# Altium PCB PCB.PcbDoc
Units mm, origin at the board's own origin, x right, y up, seen from the top; angles counter-clockwise.
Board outline 100.01 x 69.88 mm, 2 copper layers (Top Layer, Bottom Layer); 106 components, 77 nets, 402 pads, 216 vias.
Unrouted connection lines stored in the file: 2.
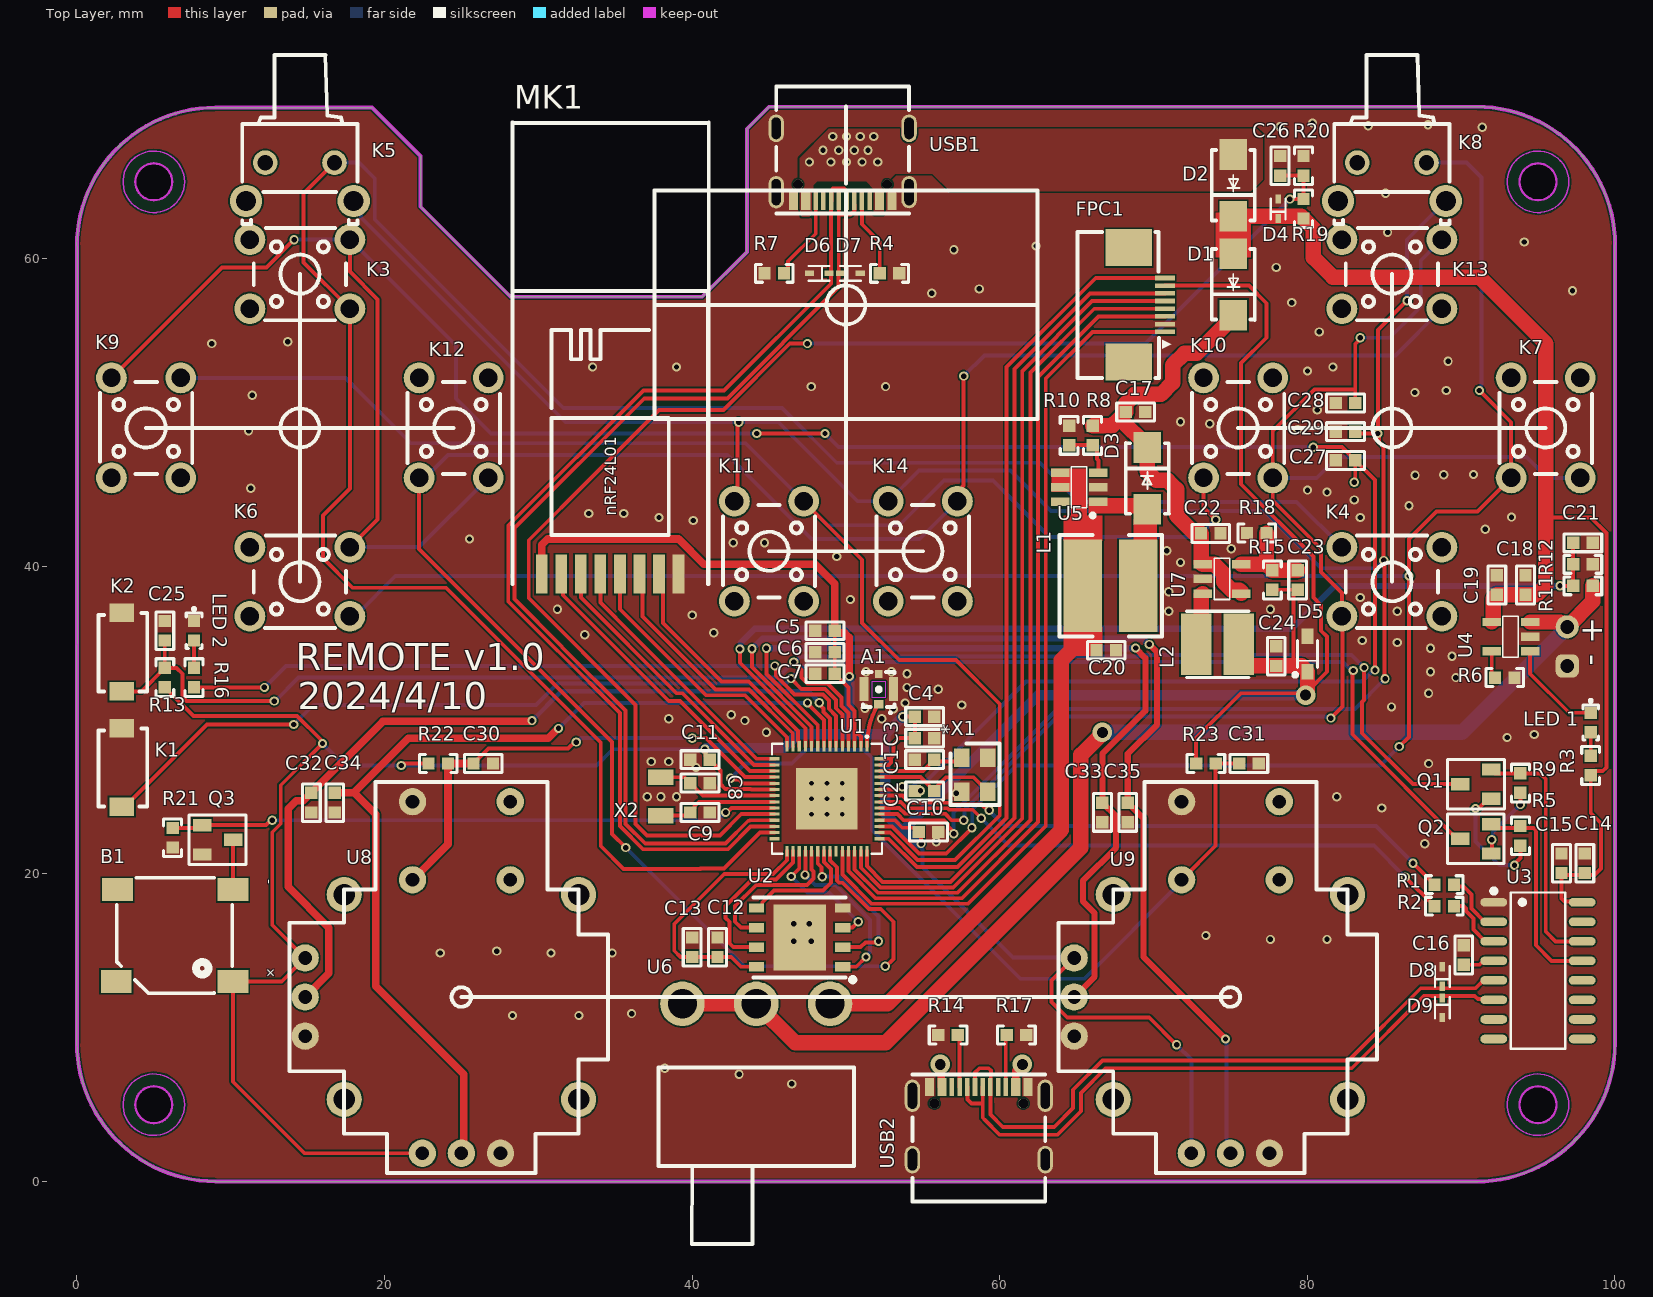
[diagram p0: Top Layer view]
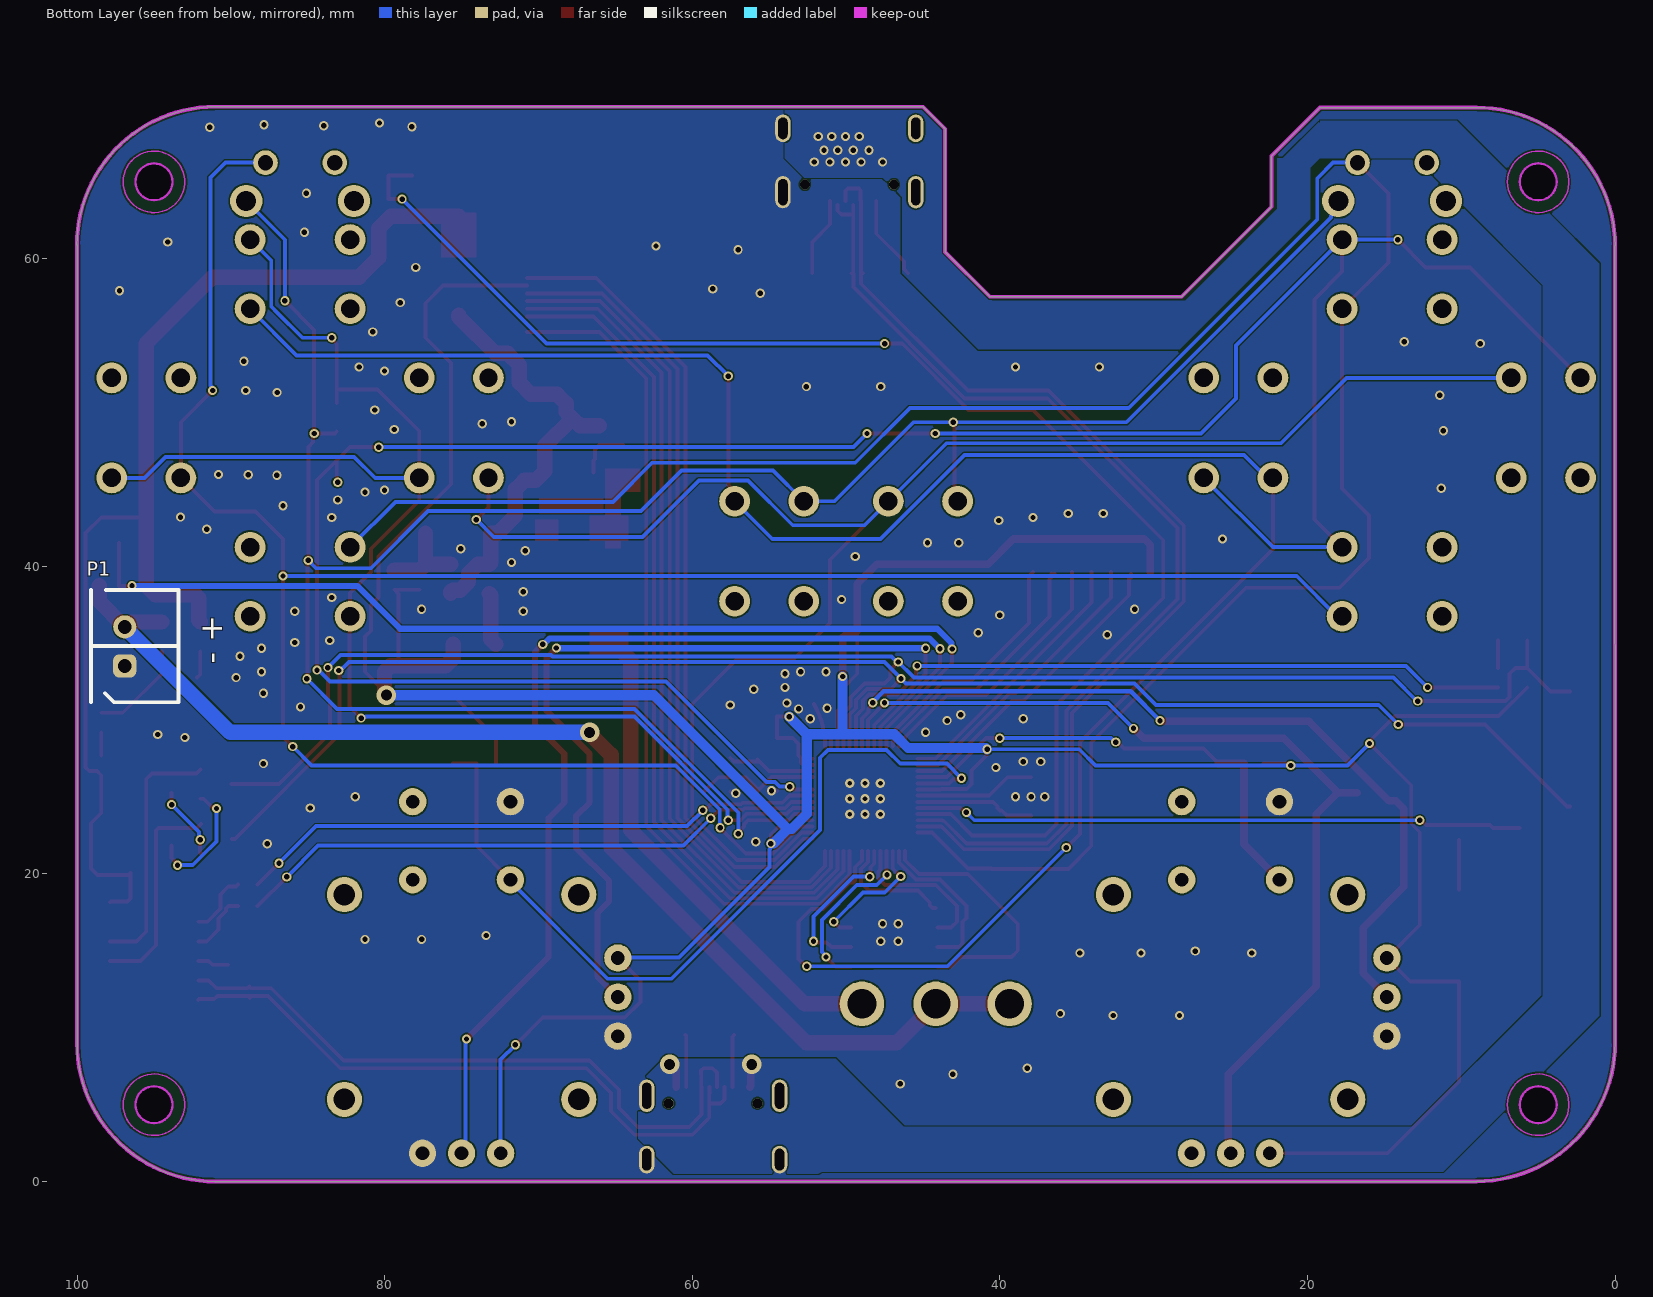
[diagram p1: Bottom Layer view, seen from below]
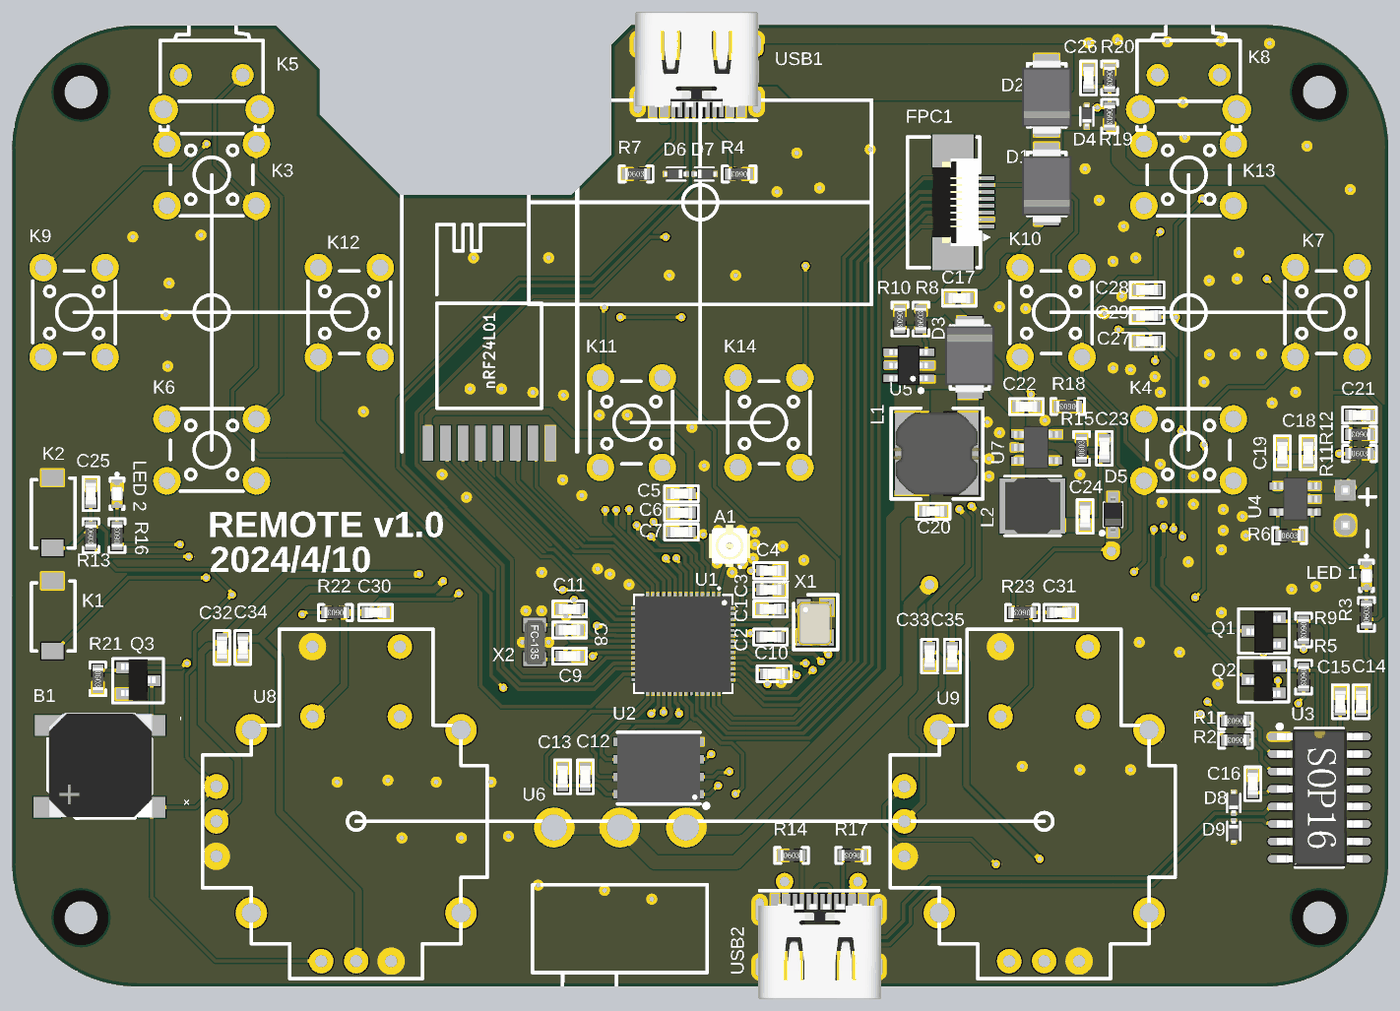
[diagram p2: 3D render of the assembled board from above, using the file's embedded part models]

## Layer stack, top to bottom
Top Solder: solder mask 0.0102, Solder Resist, Dk 3.5
Top Layer: signal copper 0.0356
Dielectric 1: dielectric 0.32, FR-4, Dk 4.8
Bottom Layer: signal copper 0.0356
Bottom Solder: solder mask 0.0102, Solder Resist, Dk 3.5

## Board outline
0,9.017 ccw(c9,9.017) 9,0.017 9,0 91.059,0 91,0 ccw(c91,9) 100,9 100,60.895 100.011,60.884 ccw(c91.011,60.884) 91.011,69.884 44.992,69.884 43.561,68.453 43.561,60.452 40.64,57.531 28.194,57.531 22.342,63.383 22.342,66.675 19.184,69.833 9,69.833 ccw(c9,60.833) 0,60.833 0.02,60.833
cut-out: 93.8,5 ccw(c95,5) 95,3.8 ccw(c95,5) 96.2,5 ccw(c95,5) 95,6.2 ccw(c95,5)
cut-out: 3.8,5 ccw(c5,5) 5,3.8 ccw(c5,5) 6.2,5 ccw(c5,5) 5,6.2 ccw(c5,5)
cut-out: 5,63.8 cw(c5,65) 3.8,65 cw(c5,65) 5,66.2 cw(c5,65) 6.2,65 cw(c5,65)
cut-out: 93.8,65 ccw(c95,65) 95,63.8 ccw(c95,65) 96.2,65 ccw(c95,65) 95,66.2 ccw(c95,65)

## Design rules (kind name [scope] priority, off if disabled: settings)
Clearance [All] p1: gap=0.1 ignorepadtopadclearanceinfootprint=FALSE except(0: Arc-Hole Track-Hole SMDPad-Hole THPad-Hole Via-Hole Fill-Hole Poly-Hole Region-Hole Text-Hole; 0.102: Arc-Arc Arc-Track Arc-SMDPad Arc-THPad Track-Track Track-SMDPad Track-THPad SMDPad-SMDPad SMDPad-THPad THPad-THPad; 0.127: Arc-Via Track-Via SMDPad-Via SMDPad-Text THPad-Via Via-Via; 0.254: Arc-Text Track-Text THPad-Text Via-Text Fill-Text Poly-Text Region-Text Text-Text)
DiffPairsRouting [All] p1: maxlimit=0.254 minlimit=0.1 mostfreqgap=0.254 toplayer_minwidth=0.2 toplayer_maxwidth=0.381 toplayer_prefwidth=0.25 bottomlayer_minwidth=0.2 bottomlayer_maxwidth=0.381 bottomlayer_prefwidth=0.25 maxuncoupledlength=12.7
HoleSize [All] p1: absolutevalues=TRUE maxlimit=30 minlimit=0.025 maxpercent=80.000 minpercent=20.000
HoleToHoleClearance [All] p1: gap=0.152 allowstackedmicrovias=TRUE
MinimumSolderMaskSliver [All] p1: minsoldermaskwidth=0
PlaneClearance [All] p1: clearance=0.254
PlaneConnect [All] p1: planeconnectstyle=Direct reliefexpansion=0.508 reliefentries=4 reliefconductorwidth=0.254 reliefairgap=0.254
PolygonConnect [All] p1: connectstyle=Direct reliefconductorwidth=0.254 reliefentries=4 polygonreliefangle="90 Angle" airgapwidth=0.254
RoutingVias [All] p1: holewidth=0.711 width=1.27 viastyle="Through Hole" minholewidth=0.3 minwidth=0.5 maxholewidth=30 maxwidth=30
SilkToSilkClearance [All] p1: silktosilkclearance=0
SilkToSolderMaskClearance [IsPad] p1: minsilkscreentomaskgap=0 clearancetoexposedcopper=TRUE
SolderMaskExpansion [All] p1: expansion=0.102 istentingtop=FALSE
Width [All] p1: maxlimit=3 minlimit=0.1 preferedwidth=0.254
22 further rules are at their usual default settings.

## Classes and differential pairs
component class Sheet0-control: B1 C27 C28 C29 C30 C31 C32 C33 C34 C35 FPC1 K3 K4 K5 K6 K7 K8 K9 K10 K11 K12 K13 K14 MK1 Q3 R21 R22 R23 U8 U9
component class Sheet0-MCU: A1 C1 C2 C3 C4 C5 C6 C7 C8 C9 C10 C11 C12 C13 C14 C15 C16 C17 C18 C19 C20 C21 C22 C23 C24 C25 C26 D1 D2 D3 D4 D5 D6 D7 D8 D9 K1 K2 L1 L2 "LED 1" "LED 2" P1 Q1 Q2 R1 R2 R3 R4 R5 R6 R7 R8 R9 R10 R11 R12 R13 R14 R15 R16 R17 R18 R19 R20 U1 U2 U3 U4 U5 U6 U7 USB1 USB2 X1 X2
differential pair ESP32: +ESP32_P -ESP32_N
differential pair USB: +USB_P -USB_N

## Components (designator, comment, footprint, x,y, rotation, side; value= is the part's Value field where it differs from the comment)
A1 "ANT-IPEX" ANT-IPEX 52.07,32.004 r90 top
B1 "BUZZER1" BUZ-SMD_GSC7525RA 6.35,16.002 r180 top
C1 "22pF" CC1608-0603 55.118,27.432 r0 top
C2 "22pF" CC1608-0603 55.118,25.4 r0 top
C3 "1uF" CC1608-0603 55.118,28.829 r180 top
C4 "100NF" CC1608-0603 55.118,30.226 r180 top
C5 "1uF" CC1608-0603 48.641,35.814 r0 top
C6 "100NF" CC1608-0603 48.641,34.417 r0 top
C7 "100NF" CC1608-0603 48.641,33.02 r0 top
C8 "22pF" CC1608-0603 40.513,25.908 r180 top
C9 "22pF" CC1608-0603 40.513,24.003 r180 top
C10 "100NF" CC1608-0603 55.372,22.733 r180 top
C11 "100NF" CC1608-0603 40.513,27.432 r0 top
C12 "1uF" CC1608-0603 41.656,15.24 r270 top
C13 "100NF" CC1608-0603 40.005,15.24 r270 top
C14 "1uF" CC1608-0603 98.044,20.701 r270 top
C15 "100NF" CC1608-0603 96.52,20.701 r270 top
C16 "100NF" CC1608-0603 90.17,14.732 r270 top
C17 "22uF" CC1608-0603 68.834,50.038 r0 top
C18 "1uF" CC1608-0603 94.189,38.79 r270 top
C19 "100NF" CC1608-0603 92.32,38.79 r270 top
C20 "22uF" CC1608-0603 66.929,34.544 r180 top
C21 "100NF" CC1608-0603 97.917,41.529 r180 top
C22 "10uF" CC1608-0603 73.715,42.144 r180 top
C23 "22PF" CC1608-0603 79.375,39.116 r270 top
C24 "10uF" CC1608-0603 77.978,34.163 r270 top
C25 "1uF/NC" CC1608-0603 5.715,35.814 r270 top
C26 "100NF" CC1608-0603 78.232,66.04 r270 top
C27 "100pF" CC1608-0603 82.478,46.89 r0 top
C28 "100pF" CC1608-0603 82.478,50.628 r0 top
C29 "100pF" CC1608-0603 82.478,48.759 r0 top
C30 "100pF" CC1608-0603 26.416,27.178 r180 top
C31 "100pF" CC1608-0603 76.2,27.178 r180 top
C32 "100pF" CC1608-0603 15.24,24.638 r90 top
C33 "100pF" CC1608-0603 66.675,24.003 r90 top
C34 "100pF" CC1608-0603 16.764,24.638 r90 top
C35 "100pF" CC1608-0603 68.326,24.003 r90 top
D1 "SS34" "DO-214 AA" 75.184,58.325 r90 top
D2 "SS34" "DO-214 AA" 75.184,64.77 r90 top
D3 "SS34A" "DO-214 AA SMB" 69.596,45.72 r270 top
D4 "LESD5Z5.0CT1G" SOD-523 78.105,63.246 r90 top
D5 "PESD3V3L1BA" SOD-323 80.01,33.147 r90 top
D6 "LESD5Z5.0CT1G" SOD-523 48.26,59.055 r180 top
D7 "LESD5Z5.0CT1G" SOD-523 50.292,59.055 r0 top
D8 "LESD5Z5.0CT1G" SOD-523 88.773,13.335 r90 top
D9 "LESD5Z5.0CT1G" SOD-523 88.773,11.303 r270 top
FPC1 "FFC 05 8P" FFC-SMD_8P-P0.50 69.564,57 r270 top
K1 "KEY 3*4" "KEY 3*4" 2.921,24.384 r90 top
K2 "KEY 3*4" "KEY 3*4" 2.921,31.877 r90 top
K3 "SW-TH_4P" SW-TH_4P 14.5,59 r180 top locked
K4 "SW-TH_4P" SW-TH_4P 85.5,39 r0 top locked
K5 "SW-TH_4P_H" SW-TH_KH-6X6X7H-ZJ 14.5,65 r180 top locked
K6 "SW-TH_4P" SW-TH_4P 14.5,39 r180 top locked
K7 "SW-TH_4P" SW-TH_4P 95.5,49 r90 top locked
K8 "SW-TH_4P_H" SW-TH_KH-6X6X7H-ZJ 85.5,65 r180 top locked
K9 "SW-TH_4P" SW-TH_4P 4.5,49 r270 top locked
K10 "SW-TH_4P" SW-TH_4P 75.5,49 r90 top locked
K11 "SW-TH_4P" SW-TH_4P 45,40.983 r270 top locked
K12 "SW-TH_4P" SW-TH_4P 24.5,49 r90 top locked
K13 "SW-TH_4P" SW-TH_4P 85.5,59 r180 top locked
K14 "SW-TH_4P" SW-TH_4P 55,40.983 r270 top locked
L1 "10uF" Inductor-6045 65.405,38.735 r90 top locked
L2 "1uH" Inductor-4018 74.168,34.925 r0 top
"LED 1" "LED 0603" "LED 0603" 98.425,29.845 r90 top
"LED 2" "LED 0603" "LED 0603" 7.62,35.814 r90 top
MK1 "GT-24" WIRELM-SMD_AS01-ML01S 30.226,39.497 r90 top locked
P1 "Header 2" HX2.54-2 96.901,33.528 r90 bottom locked
Q1 "S8050" SOT-23 91.972,24.89 r90 top
Q2 "S8050" SOT-23 91.948,21.336 r90 top
Q3 "SI2302" SOT-23 8.14,23.175 r270 top
R1 "470R" CR1608-0603 88.9,19.304 r180 top
R2 "470R" CR1608-0603 88.9,17.907 r180 top
R3 "1K" CR1608-0603 98.425,27.051 r90 top
R4 "5.1K" CR1608-0603 52.832,59.055 r180 top
R5 "12K/10K" CR1608-0603 93.853,22.479 r270 top
R6 "2K" CR1608-0603 92.837,32.766 r0 top
R7 "5.1K" CR1608-0603 45.339,59.055 r0 top
R8 "78.7KR" CR1608-0603 66.04,48.514 r90 top
R9 "12K/10K" CR1608-0603 93.853,25.908 r270 top
R10 "10KR" CR1608-0603 64.516,48.514 r270 top
R11 "10K" CR1608-0603 97.917,38.735 r0 top
R12 "10K" CR1608-0603 97.917,40.132 r180 top
R13 "10K/NC" CR1608-0603 5.715,32.766 r270 top
R14 "5.1K" CR1608-0603 56.642,9.525 r0 top
R15 "100K" CR1608-0603 77.724,39.116 r90 top
R16 "1K" CR1608-0603 7.62,32.766 r90 top
R17 "5.1K" CR1608-0603 61.087,9.525 r180 top
R18 "22.1K" CR1608-0603 76.708,42.164 r180 top
R19 "10K" CR1608-0603 79.756,63.246 r270 top
R20 "10K" CR1608-0603 79.756,66.04 r270 top
R21 "33KR" CR1608-0603 6.223,22.352 r270 top
R22 "10K" CR1608-0603 23.495,27.178 r180 top
R23 "10K" CR1608-0603 73.406,27.178 r180 top
U1 "ESP32-S3" QFN-56 48.768,24.892 r270 top
U2 "W25Q128JVPIQ" WSON-8 46.99,15.875 r90 top
U3 "CH340C" SOP-16 94.996,13.716 r270 top
U4 "TP4054" SOT23-5 94.488,36.388 r270 top
U5 "SX1308" SOT23-6 65.151,45.09 r90 top
U6 "HX SS12D10G4" SW-TH_3P-SS12D06 44.17,11.557 r0 top locked
U7 "SY8089A1AAC" SOT23-5 73.192,38.227 r90 top
U8 "rocker" PCBComponent_1 25,12 r0 top locked
U9 "rocker" PCBComponent_1 75,12 r0 top locked
USB1 "Tpye-c 16P" "TYPE-C 16P" 46.898,64.829 r180 top locked
USB2 "Tpye-c 16P" "TYPE-C 16P" 61.533,5.08 r0 top
X1 "3225_8M" XTAL-3225 59.231,27.559 r270 top
X2 "32.768kKHz" XTAL-3215 37.973,26.289 r270 top

## Footprints (in the part's own frame and the unit in brackets; to place one, negate y for a bottom-side part, rotate by r counter-clockwise, add the part's x,y. Pads: shape width x height; smd on the part's side, far side on the other; paste and mask are expansions set on the pad)
ANT-IPEX [mm]
  rect 0.55x0.6 smd: 1(-0.977,-0.066)
  rect 1.58x0.58 smd: 2(0.023,-1.026) 4(0.023,0.893)
  rect 0.5x0.5 smd: 3(0.998,-0.066)
  silkscreen extent -1.6,-1.08 1.14,0.95, body extent -1.53,-1.57 1.57,1.43, height 1.25
BUZ-SMD_GSC7525RA [mm]
  rect 2x1.5 smd paste+0 mask+0.051: 1(-3.795,2.98) 2(-3.795,-2.98) 3(3.705,-2.98) 3(3.795,2.98)
  silkscreen extent -3.75,-3.75 3.76,3.76, body extent -3.81,-3.81 3.69,3.69, height 2.5
CC1608-0603 [mm]
  rect 0.8x0.8 smd: 1(-0.635,0) 2(0.635,0)
  silkscreen extent -1.23,-0.58 1.23,0.58, body extent -0.8,-0.4 0.8,0.4, height 0.3
CR1608-0603 [mm]
  rect 0.8x0.8 smd: 1(-0.635,0) 2(0.635,0)
  silkscreen extent -1.23,-0.58 1.23,0.58, body extent -0.8,-0.4 0.8,0.4, height 0.45
"DO-214 AA" [mm] "SMB"
  rect 2x1.8 smd: 1(-2,0) 2(2,0)
  silkscreen extent -2.3,-1.4 2.3,1.4, body extent -2.83,-1.8 2.57,1.8, height 2.4
"DO-214 AA SMB" [mm]
  rect 2x1.8 smd: 1(-2,0) 2(2,0)
  silkscreen extent -2.3,-1.4 2.3,1.4, body extent -2.83,-1.8 2.57,1.8, height 2.4
FFC-SMD_8P-P0.50 [mm]
  rect 0.3x1.3 smd paste+0 mask+0.051: 1(1.75,1.175) 2(1.25,1.175) 3(0.75,1.175) 4(0.25,1.175) 5(-0.25,1.175) 6(-0.75,1.175) 7(-1.25,1.175) 8(-1.75,1.175)
  rect 2.4x3 smd paste+0 mask+0.051: 9(3.725,-1.175) 10(-3.725,-1.175)
  silkscreen extent -4.75,-4.5 4.75,1.6, body extent -3.18,-2.71 3.18,0.89, height 0.85
HX2.54-2 [mm] "两针白色插座（已加焊）"
  rrect50% 1.5x1.5 hole 0.9: 1(0,0)
  round 1.5 hole 0.9: 2(2.54,0)
  silkscreen extent -2.36,-3.5 4.94,2.2, body extent -2.48,-3.55 5.02,2.45, height 7
Inductor-4018 [mm]
  rect 2x4 smd paste+0 mask+0.051: 1(-1.397,0) 2(1.373,0)
  silkscreen extent -2.03,-2.16 2.03,2.16, body extent -2,-2 2,2, height 1.8
Inductor-6045 [mm] "电感"
  rect 6x2.5 smd: 1(0,0) 2(0,-3.6)
  silkscreen extent -3.3,-5.14 3.3,1.52, body extent -3,-4.93 3,1.37, height 4.5
"KEY 3*4" [mm]
  rect 1.2x1.6 smd: 1(0,0) 2(5.1,0)
  silkscreen extent 0,-1.65 5.08,1.52, body extent 0.25,-1.71 4.7,1.46, height 2.01
"LED 0603" [mm]
  rect 0.8x0.8 smd: 1(-0.635,0) 2(0.635,0)
  silkscreen extent -1.14,-0.51 1.48,0.51, body extent -0.8,-0.4 0.8,0.4, height 0.6
PCBComponent_1 [mil]
  round 70 hole 35.4 paste+0 mask+4: 1(-125,500) 2(125,500) 3(-125,300) 4(125,300)
  round 70 hole 35 paste+0 mask+4: 5(-400,100) 6(-400,0) 7(-400,-100) 8(-100,-400) 9(0,-400) 10(100,-400)
  round 90 hole 55 paste+0 mask+4: MOUNT1(-300,262) MOUNT2(-300,-262) MOUNT3(300,-262) MOUNT4(300,262)
  silkscreen extent -440,-450 375,550, body extent -447,-446 290,535, height 772
QFN-56 [mm]
  rect 0.665x0.2 smd paste-100 mask+0.051: 1(-3.407,2.6) 2(-3.407,2.2) 3(-3.407,1.8) 4(-3.407,1.4) 5(-3.407,1) 6(-3.407,0.6) 7(-3.407,0.2) 8(-3.407,-0.2) 9(-3.407,-0.6) 10(-3.407,-1) 11(-3.407,-1.4) 12(-3.407,-1.8) 13(-3.407,-2.2) 14(-3.407,-2.6) 29(3.408,-2.6) 30(3.408,-2.2) 31(3.408,-1.8) 32(3.408,-1.4) 33(3.408,-1) 34(3.408,-0.6) 35(3.408,-0.2) 36(3.408,0.2) 37(3.408,0.6) 38(3.408,1) 39(3.408,1.4) 40(3.408,1.8) 41(3.408,2.2) 42(3.408,2.6)
  rect 0.2x0.665 smd paste-100 mask+0.051: 15(-2.6,-3.407) 16(-2.2,-3.407) 17(-1.8,-3.407) 18(-1.4,-3.407) 19(-1,-3.407) 20(-0.6,-3.407) 21(-0.2,-3.407) 22(0.2,-3.407) 23(0.6,-3.407) 24(1,-3.407) 25(1.4,-3.407) 26(1.8,-3.407) 27(2.2,-3.407) 28(2.6,-3.407) 43(2.6,3.408) 44(2.2,3.408) 45(1.8,3.408) 46(1.4,3.408) 47(1,3.408) 48(0.6,3.408) 49(0.2,3.408) 50(-0.2,3.408) 51(-0.6,3.408) 52(-1,3.408) 53(-1.4,3.408) 54(-1.8,3.408) 55(-2.2,3.408) 56(-2.6,3.408)
  rect 4x4 smd paste-100 mask+0.051: 57(0,0)
  silkscreen extent -4.11,-3.58 3.58,3.58, body extent -3.51,-3.52 3.51,3.49, height 0.9
SOD-323 [mm]
  rect 1x0.8 smd: 1(0,0) 2(2.3,0)
  silkscreen extent -0.32,-0.65 2.02,0.92, body extent -0.16,-0.67 2.44,0.68, height 1.1
SOD-523 [mm]
  rect 0.6x0.36 smd paste+0 mask+0.051: 1(-0.635,0) 2(0.635,0)
  silkscreen extent -0.68,-0.48 0.68,0.48, body extent -0.74,-0.4 0.86,0.4, height 0.7
SOP-16 [mm]
  oval 0.56x1.745 smd: 1(-4.445,-2.873) 2(-3.175,-2.873) 3(-1.905,-2.873) 4(-0.635,-2.873) 5(0.635,-2.873) 6(1.905,-2.873) 7(3.175,-2.873) 8(4.445,-2.873) 9(4.445,2.873) 10(3.175,2.873) 11(1.905,2.873) 12(0.635,2.873) 13(-0.635,2.873) 14(-1.905,2.873) 15(-3.175,2.873) 16(-4.445,2.873)
  silkscreen extent -5.33,-3.02 5.08,1.77, body extent -4.99,-3.09 4.99,3.14, height 1.59
SOT23-5 [mm] "适用于MIC5205"
  rect 0.55x1.2 smd: 1(1.905,0) 2(0.955,0) 3(0.005,0) 4(0.005,-2.5) 5(1.905,-2.5)
  silkscreen extent -0.38,-1.78 2.29,-0.76, body extent -0.6,-2.82 2.5,0.38, height 1.45
SOT23-6 [mm]
  rect 0.55x1.2 smd: 1(-0.889,-1.27) 2(0.061,-1.27) 3(1.011,-1.27) 4(1.011,1.23) 5(0.061,1.23) 6(-0.889,1.23)
  silkscreen extent -1.9,-1.02 1.4,0.51, body extent -1.39,-1.4 1.51,1.4, height 1.45
SOT-23 [mm]
  rect 0.8x1.2 smd: 1(0,0) 2(1.905,0) 3(0.95,2.02)
  silkscreen extent -0.66,-0.84 2.57,2.84, body extent -0.61,-0.23 2.39,2.27, height 1.05
SW-TH_3P-SS12D06 [mm]
  round 2.9 hole 1.9 paste+0 mask+0.051: 1(-4.8,0) 2(0,0) 3(4.8,0)
  silkscreen extent -6.35,-15.62 6.35,-4.15, body extent -6.35,-15.68 6.35,-4.19, height 6.7
SW-TH_4P [mm] "轻触开关"
  round 2 hole 1.2 paste+0 mask+0.051: 1(-3.25,2.25) 2(3.25,2.25) 3(-3.25,-2.25) 4(3.25,-2.25)
  silkscreen extent -3,-3 3,3, body extent -3.03,-3.07 3.02,3.07, height 7
SW-TH_KH-6X6X7H-ZJ [mm]
  round 1.6 hole 1 paste+0 mask+0.05: 1(-2.25,-1.25) 2(2.25,-1.25)
  round 2.1 hole 1.3 paste+0 mask+0.05: 3(-3.5,1.25) 4(3.5,1.25)
  silkscreen extent -3.75,-8.25 3.75,2.75, body extent -3.75,-8.19 3.75,0.7, height 7
"TYPE-C 16P" [mm]
  oval 1x2.099 hole 0.6 slot 1.7 at 90 deg: 1(-7.21,0.5) 2(1.43,0.5)
  oval 1x1.799 hole 0.6 slot 1.4 at 90 deg: 3(-7.21,-3.65) 4(1.43,-3.65)
  rect 0.6x1.15 smd: A1B12(-6.09,1.075) A4B9(-5.29,1.075) B1A12(0.31,1.075) B4A9(-0.49,1.075)
  rect 0.3x1.15 smd: A5(-4.14,1.075) A6(-3.14,1.075) A7(-2.64,1.075) A8(-1.64,1.075) B5(-1.14,1.075) B6(-2.14,1.075) B7(-3.64,1.075) B8(-4.64,1.075)
  round 0.65 hole 0.65 unplated: ""(-5.78,0) ""(0,0)
  silkscreen extent -7.21,-6.37 1.43,1.89, body extent -7.31,-6 1.63,0.9, height 3.18
WIRELM-SMD_AS01-ML01S [mil]
  rect 100x30 smd paste+0 mask+2: 1(0,0) 2(0,-50) 3(0,-100) 4(0,-150) 5(0,-200) 6(0,-250) 7(0,-300) 8(0,-350)
  silkscreen extent -25,-428 1156,75, body extent -25,-428 1158,75, height 24
WSON-8 [mm]
  rect 0.6x1 smd paste+0 mask+0.051: 1(-1.905,-2.8) 2(-0.635,-2.8) 3(0.635,-2.8) 4(1.905,-2.8) 5(1.905,2.8) 6(0.635,2.8) 7(-0.635,2.8) 8(-1.905,2.8)
  rect 4.3x3.4 smd paste+0 mask+0.051: 9(0,0)
  silkscreen extent -2.9,-3.6 2.6,3, body extent -2.5,-3 2.5,3, height 0.7
XTAL-3215 [mm]
  rect 1x1.65 smd: 1(0,0) 2(2.5,0)
  body extent -0.33,-0.75 2.87,0.75, height 0.8
XTAL-3225 [mm]
  rect 1.2x1 smd: 1(0,-1.7) 2(2.2,-1.7) 3(2.2,0) 4(0,0)
  silkscreen extent -0.91,-2.44 3.07,0.76, body extent -0.43,-2.15 2.77,0.35, height 0.61
